# KiCad board launch.kicad_pcb
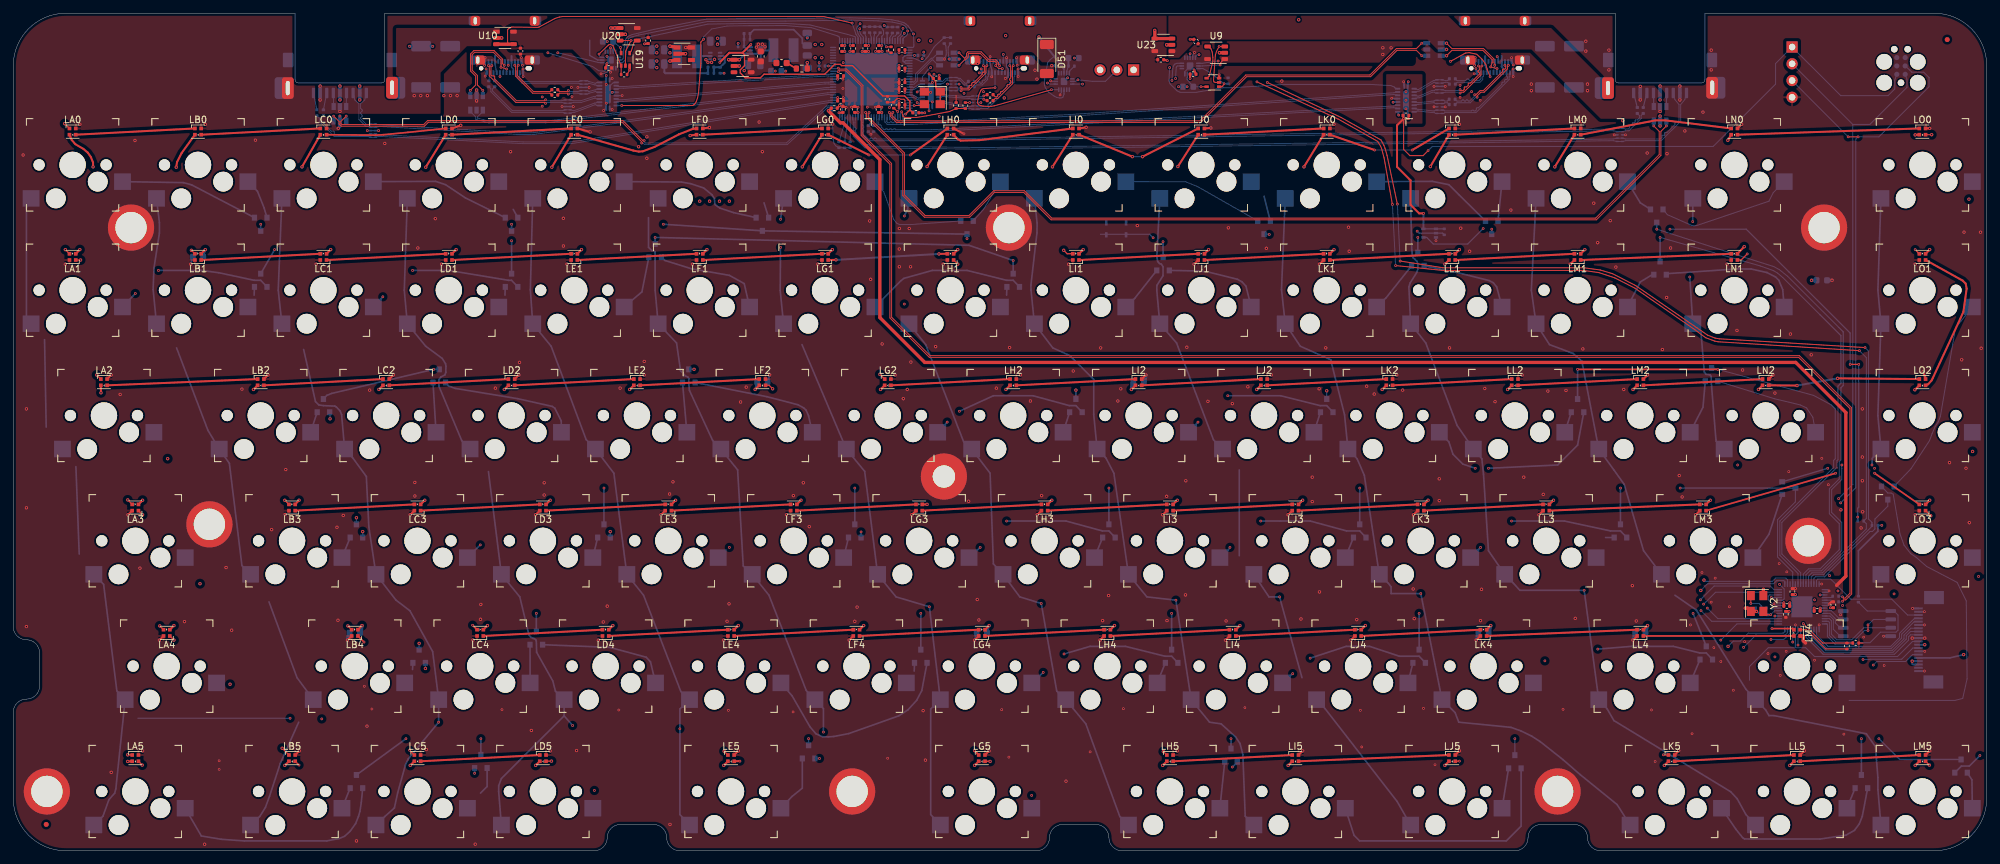
[diagram p0: board, top side]
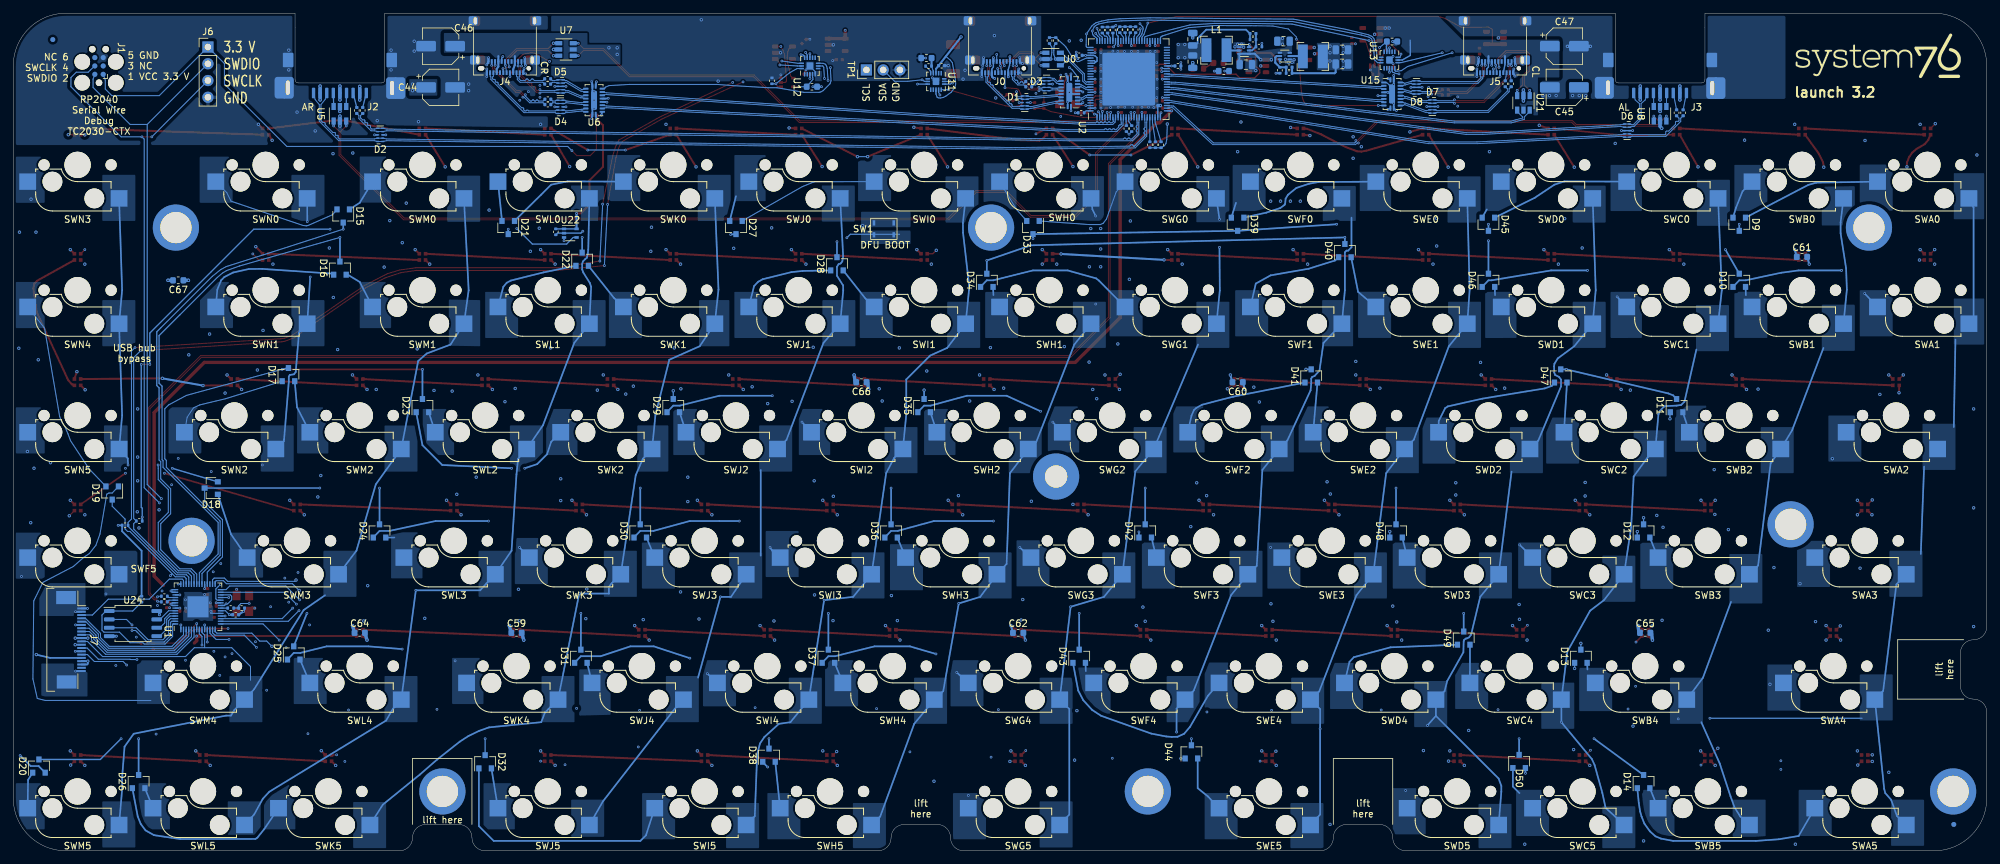
[diagram p1: board, bottom side, seen from below]

Outline 299 x 127 mm; copper layers: Top, In1.Cu (plane), In2.Cu (plane), Bottom. Coordinates in mm from the lower left corner of the outline.
Outline path: 42.7,124.9 42.7,127 8,127 arc(2.34,124.66) 0,119 0,34 arc(0.59,32.59) 2,32 arc(3.41,31.41) 4,30 4,25 arc(3.41,23.59) 2,23 arc(0.59,22.41) 0,21 0,8 arc(2.34,2.34) 8,0 88,0 arc(89.41,0.59) 90,2 arc(90.59,3.41) 92,4 97,4 arc(98.41,3.41) 99,2 arc(99.59,0.59) 101,0 155,0 arc(156.41,0.59) 157,2 arc(157.59,3.41) 159,4 164,4 arc(165.41,3.41) 166,2 arc(166.59,0.59) 168,0 227.5,0 arc(228.91,0.59) 229.5,2 arc(230.09,3.41) 231.5,4 236.5,4 arc(237.91,3.41) 238.5,2 arc(239.09,0.59) 240.5,0 291,0 arc(296.66,2.34) 299,8 299,119 arc(296.66,124.66) 291,127 256.3,127 256.3,124.9 ; 56.3,124.9 56.3,127 242.7,127 242.7,124.9
Stack: Top 0.035mm / dielectric 0.48mm FR4 er 4.5 / In1.Cu 0.035mm / dielectric 0.48mm FR4 er 4.5 / In2.Cu 0.035mm / dielectric 0.48mm FR4 er 4.5 / Bottom 0.035mm

## Placement (name value [footprint] x y rotation side)
C1  1 uF  [C_0402_1005Metric]  268.55 35.85 90 top
C2  1 uF  [C_0402_1005Metric]  275.75 37.3 270 top
C3  1 uF  [C_0402_1005Metric]  269.55 39.3 270 top
C4  2.2 uF  [C_0603_1608Metric]  113.25 120.45 90 top
C5  1 uF  [C_0402_1005Metric]  76.85 121.25 270 top
C6  1 uF  [C_0402_1005Metric]  173.85 119.95 0 top
C7  1 nF  [C_0402_1005Metric]  136.75 111.9 0 top
C8  0.1uF  [C_0402_1005Metric]  131.1 112.4 90 top
C9  0.1uF  [C_0402_1005Metric]  148 113.75 0 top
C10  0.1uF  [C_0402_1005Metric]  148 114.65 0 top
C11  0.1uF  [C_0402_1005Metric]  145.15 116.65 0 bottom
C12  0.1uF  [C_0402_1005Metric]  145.15 115.85 0 bottom
C13  0.1uF  [C_0402_1005Metric]  218 113.15 0 bottom
C14  0.1uF  [C_0402_1005Metric]  218.03 116.25 0 bottom
C15  0.1uF  [C_0402_1005Metric]  218 113.95 0 bottom
C16  0.1uF  [C_0402_1005Metric]  218.03 117.05 0 bottom
C17  0.1uF  [C_0402_1005Metric]  125.7 112.4 90 top
C18  0.1uF  [C_0402_1005Metric]  134.65 121.45 180 top
C19  0.1uF  [C_0402_1005Metric]  125.35 117.5 0 top
C20  0.1uF  [C_0402_1005Metric]  125.35 113.7 0 top
C21  0.1uF  [C_0402_1005Metric]  134.65 115.5 180 top
C22  0.1uF  [C_0402_1005Metric]  127.25 121.65 270 top
C23  0.1uF  [C_0402_1005Metric]  134.65 118.65 180 top
C24  0.1uF  [C_0402_1005Metric]  127.5 112.4 90 top
C25  2.2 uF  [C_0603_1608Metric]  160.65 120.2 180 bottom
C26  2.2 uF  [C_0603_1608Metric]  178 115.85 0 bottom
C27  2.2 uF  [C_0603_1608Metric]  90.1 122.7 0 bottom
C28  0.1uF  [C_0402_1005Metric]  72.95 116.3 90 bottom
C29  0.1uF  [C_0402_1005Metric]  82.05 115.4 180 top
C30  0.1uF  [C_0402_1005Metric]  72.05 116.3 90 bottom
C31  0.1uF  [C_0402_1005Metric]  82.05 114.6 180 top
C32  10 uF  [C_0805_2012Metric]  112.25 119.2 180 bottom
C33  2.2 uF  [C_0603_1608Metric]  115.59 118.23 180 bottom
C34  10 uF  [C_0805_2012Metric]  120.3 119.65 270 bottom
C35  10 uF  [C_0805_2012Metric#2]  97.7 119.3 180 bottom
C36  0.1uF  [C_0402_1005Metric]  129.1 121.65 270 top
C37  0.1uF  [C_0402_1005Metric]  125.55 121.65 270 top
C38  0.1uF  [C_0402_1005Metric]  131.15 121.65 270 top
C39  0.1uF  [C_0402_1005Metric]  122.55 119 180 bottom
C40  0.1uF  [C_0402_1005Metric]  124.4 112.6 0 top
C41  0.1uF  [C_0402_1005Metric]  134.65 113.1 180 top
C42  0.1uF  [C_0402_1005Metric]  137.5 120.6 0 bottom
C43  0.1uF  [C_0402_1005Metric]  134.65 116.5 180 top
C44  APXF6R3ARA151ME40G  [CP_Elec_5x3.9]  234.25 115.75 180 bottom
C45  APXF6R3ARA151ME40G  [CP_Elec_5x3.9]  64 115.75 0 bottom
C46  APXF6R3ARA151ME40G  [CP_Elec_5x3.9]  234.25 122 0 bottom
C47  APXF6R3ARA151ME40G  [CP_Elec_5x3.9]  64 122 180 bottom
C48  10 uF  [C_0805_2012Metric]  106.55 122.75 0 bottom
C49  10 uF  [C_0805_2012Metric]  97.7 121.45 180 bottom
C50  10 uF  [C_0805_2012Metric#2]  120.3 123.05 90 bottom
C51  0.1uF  [C_0402_1005Metric]  246.95 112.25 90 bottom
C52  0.1uF  [C_0402_1005Metric]  246.05 112.25 90 bottom
C53  0.1uF  [C_0402_1005Metric]  47 111.9 90 bottom
C54  0.1uF  [C_0402_1005Metric]  46 111.9 90 bottom
C55  0.1uF  [C_0402_1005Metric]  139.85 117.1 0 top
C56  0.1uF  [C_0402_1005Metric]  158.35 119.05 180 bottom
C57  0.1uF  [C_0402_1005Metric]  90.2 118.7 180 top
C58  0.1uF  [C_0402_1005Metric]  211 111.5 0 top
C59  2.2 uF  [C_0603_1608Metric]  222.75 33.05 180 bottom
C60  2.2 uF  [C_0603_1608Metric]  113.5 71.05 0 bottom
C61  2.2 uF  [C_0603_1608Metric]  28 90.05 180 bottom
C62  2.2 uF  [C_0603_1608Metric]  146.75 33.05 180 bottom
C63  0.1uF  [C_0402_1005Metric]  178.75 117.75 0 top
C64  2.2 uF  [C_0603_1608Metric]  246.5 33.05 180 bottom
C65  2.2 uF  [C_0603_1608Metric]  51.75 33.05 180 bottom
C66  2.2 uF  [C_0603_1608Metric]  170.5 71.05 0 bottom
C67  2.2 uF  [C_0603_1608Metric]  274 86.5 0 bottom
C68  330 pF  [C_0402_1005Metric]  111.18 123.9 180 bottom
C69  330 pF  [C_0402_1005Metric]  105.7 118.8 0 bottom
C70  27 pF  [C_0402_1005Metric]  265.3 35.8 180 bottom
C71  27 pF  [C_0402_1005Metric]  264.4 36.8 180 bottom
C72  1 uF  [C_0402_1005Metric]  268.7 37.1 180 top
C73  1 uF  [C_0402_1005Metric]  273.3 36.35 0 top
C74  1 uF  [C_0402_1005Metric]  96.2 122.85 270 top
C75  1 uF  [C_0402_1005Metric]  179.2 122.7 135 top
C76  2.2 uF  [C_0603_1608Metric]  116.4 119.45 0 top
D1  PUSB3FR4Z  [DFN-10_1x2.5mm_P0.5mm]  145.75 113.45 180 bottom
D2  PUSB3FR4Z  [DFN-10_1x2.5mm_P0.5mm]  243.4 108.55 0 bottom
D3  PUSB3FR4Z  [DFN-10_1x2.5mm_P0.5mm]  142.45 116.25 0 bottom
D4  PUSB3FR4Z  [DFN-10_1x2.5mm_P0.5mm]  216.1 112.8 0 bottom
D5  PUSB3FR4Z  [DFN-10_1x2.5mm_P0.5mm]  216.1 115.9 180 bottom
D6  PUSB3FR4Z  [DFN-10_1x2.5mm_P0.5mm]  54.5 109.2 180 bottom
D7  PUSB3FR4Z  [DFN-10_1x2.5mm_P0.5mm]  84 112.85 180 bottom
D8  PUSB3FR4Z  [DFN-10_1x2.5mm_P0.5mm]  86.4 115.75 0 bottom
D9  BAV70,215  [SOT-23]  37.5 95 270 bottom
D10  BAV70,215  [SOT-23]  37.5 86.5 90 bottom
D11  BAV70,215  [SOT-23]  47 67.5 90 bottom
D12  BAV70,215  [SOT-23]  52 48.5 90 bottom
D13  BAV70,215  [SOT-23]  61.5 29.5 90 bottom
D14  BAV70,215  [SOT-23]  52 10.5 90 bottom
D15  BAV70,215  [SOT-23]  249 96.25 270 bottom
D16  BAV70,215  [SOT-23]  249.5 88.35 90 bottom
D17  BAV70,215  [SOT-23]  257.3 72.2 90 bottom
D18  BAV70,215  [SOT-23]  269 55 0 bottom
D19  BAV70,215  [SOT-23]  284 54.25 270 bottom
D20  BAV70,215  [SOT-23]  295.1 12.85 90 bottom
D21  BAV70,215  [SOT-23]  224 94.5 270 bottom
D22  BAV70,215  [SOT-23]  212.8 89.7 90 bottom
D23  BAV70,215  [SOT-23]  237 67.5 90 bottom
D24  BAV70,215  [SOT-23]  243.5 48.5 90 bottom
D25  BAV70,215  [SOT-23]  256.5 30 90 bottom
D26  BAV70,215  [SOT-23]  280 10.5 90 bottom
D27  BAV70,215  [SOT-23]  189.5 94.5 270 bottom
D28  BAV70,215  [SOT-23]  174.2 89 90 bottom
D29  BAV70,215  [SOT-23]  199 67.5 90 bottom
D30  BAV70,215  [SOT-23]  204 48.5 90 bottom
D31  BAV70,215  [SOT-23]  213 29.5 90 bottom
D32  BAV70,215  [SOT-23]  227.5 13.5 90 bottom
D33  BAV70,215  [SOT-23]  144.5 94.5 270 bottom
D34  BAV70,215  [SOT-23]  151.5 86.5 90 bottom
D35  BAV70,215  [SOT-23]  161 67.5 90 bottom
D36  BAV70,215  [SOT-23]  166 48.5 90 bottom
D37  BAV70,215  [SOT-23]  175.5 29.5 90 bottom
D38  BAV70,215  [SOT-23]  184.5 14.5 90 bottom
D39  BAV70,215  [SOT-23]  113.5 95 270 bottom
D40  BAV70,215  [SOT-23]  97.25 91 90 bottom
D41  BAV70,215  [SOT-23]  102.35 72 90 bottom
D42  BAV70,215  [SOT-23]  127.5 48.5 90 bottom
D43  BAV70,215  [SOT-23]  137.5 29.5 90 bottom
D44  BAV70,215  [SOT-23]  120.5 15 90 bottom
D45  BAV70,215  [SOT-23]  75.5 95 270 bottom
D46  BAV70,215  [SOT-23]  75.5 86.5 90 bottom
D47  BAV70,215  [SOT-23]  64.55 72 90 bottom
D48  BAV70,215  [SOT-23]  89.5 48.5 90 bottom
D49  BAV70,215  [SOT-23]  79.25 32.25 90 bottom
D50  BAV70,215  [SOT-23]  70.85 13.55 90 bottom
D51  PMEG3030EP,115  [D_SOD-128]  156.6 120.05 270 top
FID1  Fiducial  [Fiducial_0.75mm_Mask1.5mm]  5 4 0 top
FID2  Fiducial  [Fiducial_0.75mm_Mask1.5mm]  5 4 0 bottom
FID3  Fiducial  [Fiducial_0.75mm_Mask1.5mm]  293 123 0 top
FID4  Fiducial  [Fiducial_0.75mm_Mask1.5mm]  293 123 0 bottom
H1  MountingHole_Pad  [MountingHole]  17.85 94.49 0 top
H2  MountingHole_Pad  [MountingHole]  5.1 9 0 top
H3  MountingHole_Pad  [MountingHole]  29.73 49.5 0 top
H4  MountingHole_Pad  [MountingHole]  127.1 9 0 top
H5  MountingHole_Pad  [MountingHole]  150.85 94.49 0 top
H6  MountingHole_Pad  [MountingHole]  233.97 9 0 top
H7  MountingHole_Pad  [MountingHole]  271.98 47 0 top
H8  MountingHole_Pad  [MountingHole]  274.35 94.49 0 top
H9  MountingHole_Pad  [MountingHole#2]  141 56.75 0 top
J0  12401598E4#2A  [USB_C_Receptacle_Amphenol_12401610E4-2A]  149.5 123 0 bottom
J1  Conn_ARM_SWD_TagConnect_TC2030  [Tag-Connect_TC2030-IDC-FP_2x03_P1.27mm_Vertical]  286 119 90 bottom
J2  1003-002-01100  [USB3_A_CnC_Tech_1003-002-01100]  249.5 119.9 0 bottom
J3  1003-002-01100  [USB3_A_CnC_Tech_1003-002-01100]  49.5 119.9 0 bottom
J4  12401598E4#2A  [USB_C_Receptacle_Amphenol_12401610E4-2A]  224.5 123 0 bottom
J5  12401598E4#2A  [USB_C_Receptacle_Amphenol_12401610E4-2A]  74.5 123 0 bottom
J6  SWD_TH  [PinHeader_1x04_P2.54mm_Vertical]  269.5 121.87 180 bottom
J7  -  [AFC07-S20FCC-00]  290.5 32 270 bottom
L1  SRN4018TA-2R2M  [L_Bourns-SRN4018]  116.7 121.4 0 bottom
L2  SRN4018TA-2R2M  [L_Bourns-SRN4018]  102.1 120.45 180 bottom
LA0  SK6805-EC15  [LED_SK6805-EC15]  9 109.05 0 top
LA1  SK6805-EC15  [LED_SK6805-EC15]  9 90.05 180 top
LA2  SK6805-EC15  [LED_SK6805-EC15]  13.75 71.05 0 top
LA3  SK6805-EC15  [LED_SK6805-EC15]  18.5 52.05 180 top
LA4  SK6805-EC15  [LED_SK6805-EC15]  23.25 33.05 180 top
LA5  SK6805-EC15  [LED_SK6805-EC15]  18.5 14.05 0 top
LB0  SK6805-EC15  [LED_SK6805-EC15]  28 109.05 0 top
LB1  SK6805-EC15  [LED_SK6805-EC15]  28 90.05 180 top
LB2  SK6805-EC15  [LED_SK6805-EC15]  37.5 71.05 0 top
LB3  SK6805-EC15  [LED_SK6805-EC15]  42.25 52.05 180 top
LB4  SK6805-EC15  [LED_SK6805-EC15]  51.75 33.05 180 top
LB5  SK6805-EC15  [LED_SK6805-EC15]  42.25 14.05 0 top
LC0  SK6805-EC15  [LED_SK6805-EC15]  47 109.05 0 top
LC1  SK6805-EC15  [LED_SK6805-EC15]  47 90.05 180 top
LC2  SK6805-EC15  [LED_SK6805-EC15]  56.5 71.05 0 top
LC3  SK6805-EC15  [LED_SK6805-EC15]  61.25 52.05 180 top
LC4  SK6805-EC15  [LED_SK6805-EC15]  70.75 33.05 180 top
LC5  SK6805-EC15  [LED_SK6805-EC15]  61.25 14.05 0 top
LD0  SK6805-EC15  [LED_SK6805-EC15]  66 109.05 0 top
LD1  SK6805-EC15  [LED_SK6805-EC15]  66 90.05 180 top
LD2  SK6805-EC15  [LED_SK6805-EC15]  75.5 71.05 0 top
LD3  SK6805-EC15  [LED_SK6805-EC15]  80.25 52.05 180 top
LD4  SK6805-EC15  [LED_SK6805-EC15]  89.75 33.05 180 top
LD5  SK6805-EC15  [LED_SK6805-EC15]  80.25 14.05 0 top
LE0  SK6805-EC15  [LED_SK6805-EC15]  85 109.05 0 top
LE1  SK6805-EC15  [LED_SK6805-EC15]  85 90.05 180 top
LE2  SK6805-EC15  [LED_SK6805-EC15]  94.5 71.05 0 top
LE3  SK6805-EC15  [LED_SK6805-EC15]  99.25 52.05 180 top
LE4  SK6805-EC15  [LED_SK6805-EC15]  108.75 33.05 180 top
LE5  SK6805-EC15  [LED_SK6805-EC15]  108.75 14.05 0 top
LF0  SK6805-EC15  [LED_SK6805-EC15]  104 109.05 0 top
LF1  SK6805-EC15  [LED_SK6805-EC15]  104 90.05 180 top
LF2  SK6805-EC15  [LED_SK6805-EC15]  113.5 71.05 0 top
LF3  SK6805-EC15  [LED_SK6805-EC15]  118.25 52.05 180 top
LF4  SK6805-EC15  [LED_SK6805-EC15]  127.75 33.05 180 top
LG0  SK6805-EC15  [LED_SK6805-EC15]  123 109.05 0 top
LG1  SK6805-EC15  [LED_SK6805-EC15]  123 90.05 180 top
LG2  SK6805-EC15  [LED_SK6805-EC15]  132.5 71.05 0 top
LG3  SK6805-EC15  [LED_SK6805-EC15]  137.25 52.05 180 top
LG4  SK6805-EC15  [LED_SK6805-EC15]  146.75 33.05 180 top
LG5  SK6805-EC15  [LED_SK6805-EC15]  146.75 14.05 0 top
LH0  SK6805-EC15  [LED_SK6805-EC15]  142 109.05 0 top
LH1  SK6805-EC15  [LED_SK6805-EC15]  142 90.05 180 top
LH2  SK6805-EC15  [LED_SK6805-EC15]  151.5 71.05 0 top
LH3  SK6805-EC15  [LED_SK6805-EC15]  156.25 52.05 180 top
LH4  SK6805-EC15  [LED_SK6805-EC15]  165.75 33.05 180 top
LH5  SK6805-EC15  [LED_SK6805-EC15]  175.25 14.05 0 top
LI0  SK6805-EC15  [LED_SK6805-EC15]  161 109.05 0 top
LI1  SK6805-EC15  [LED_SK6805-EC15]  161 90.05 180 top
LI2  SK6805-EC15  [LED_SK6805-EC15]  170.5 71.05 0 top
LI3  SK6805-EC15  [LED_SK6805-EC15]  175.25 52.05 180 top
LI4  SK6805-EC15  [LED_SK6805-EC15]  184.75 33.05 180 top
LI5  SK6805-EC15  [LED_SK6805-EC15]  194.25 14.05 0 top
LJ0  SK6805-EC15  [LED_SK6805-EC15]  180 109.05 0 top
LJ1  SK6805-EC15  [LED_SK6805-EC15]  180 90.05 180 top
LJ2  SK6805-EC15  [LED_SK6805-EC15]  189.5 71.05 0 top
LJ3  SK6805-EC15  [LED_SK6805-EC15]  194.25 52.05 180 top
LJ4  SK6805-EC15  [LED_SK6805-EC15]  203.75 33.05 180 top
LJ5  SK6805-EC15  [LED_SK6805-EC15]  218 14.05 0 top
LK0  SK6805-EC15  [LED_SK6805-EC15]  199 109.05 0 top
LK1  SK6805-EC15  [LED_SK6805-EC15]  199 90.05 180 top
LK2  SK6805-EC15  [LED_SK6805-EC15]  208.5 71.05 0 top
LK3  SK6805-EC15  [LED_SK6805-EC15]  213.25 52.05 180 top
LK4  SK6805-EC15  [LED_SK6805-EC15]  222.75 33.05 180 top
LK5  SK6805-EC15  [LED_SK6805-EC15]  251.25 14.05 0 top
LL0  SK6805-EC15  [LED_SK6805-EC15]  218 109.05 0 top
LL1  SK6805-EC15  [LED_SK6805-EC15]  218 90.05 180 top
LL2  SK6805-EC15  [LED_SK6805-EC15]  227.5 71.05 0 top
LL3  SK6805-EC15  [LED_SK6805-EC15]  232.25 52.05 180 top
LL4  SK6805-EC15  [LED_SK6805-EC15]  246.5 33.05 180 top
LL5  SK6805-EC15  [LED_SK6805-EC15]  270.25 14.05 0 top
LM0  SK6805-EC15  [LED_SK6805-EC15]  237 109.05 0 top
LM1  SK6805-EC15  [LED_SK6805-EC15]  237 90.05 180 top
LM2  SK6805-EC15  [LED_SK6805-EC15]  246.5 71.05 0 top
LM3  SK6805-EC15  [LED_SK6805-EC15]  256 52.05 180 top
LM4  SK6805-EC15  [LED_SK6805-EC15]  270.25 33.05 270 top
LM5  SK6805-EC15  [LED_SK6805-EC15]  289.25 14.05 0 top
LN0  SK6805-EC15  [LED_SK6805-EC15]  260.75 109.05 0 top
LN1  SK6805-EC15  [LED_SK6805-EC15]  260.75 90.05 180 top
LN2  SK6805-EC15  [LED_SK6805-EC15]  265.5 71.05 0 top
LO0  SK6805-EC15  [LED_SK6805-EC15]  289.25 109.05 0 top
LO1  SK6805-EC15  [LED_SK6805-EC15]  289.25 90.05 180 top
LO2  SK6805-EC15  [LED_SK6805-EC15]  289.25 71.05 0 top
LO3  SK6805-EC15  [LED_SK6805-EC15]  289.25 52.05 180 top
LOGO1  System76Logo  [System76]  16.45 120.55 180 bottom
R1  12 k  [R_0402_1005Metric]  137.2 111.9 0 bottom
R2  1 k  [R_0402_1005Metric]  216.8 93.85 270 bottom
R3  0.1  [R_0603_1608Metric]  119.47 118.6 0 top
R4  10 k  [R_0402_1005Metric]  279.15 31.5 0 top
R5  10 k  [R_0402_1005Metric]  129.75 124.5 270 bottom
R6  10 k  [R_0402_1005Metric]  130.55 124.5 270 bottom
R7  10 k  [R_0402_1005Metric]  131.35 124.5 270 bottom
R8  10 k  [R_0402_1005Metric]  160.32 118.97 180 bottom
R9  5.1 k  [R_0402_1005Metric]  282.05 49.35 180 bottom
R10  5.1 k  [R_0402_1005Metric]  279.9 50 0 bottom
R11  10 k  [R_0402_1005Metric]  126.8 107.05 270 bottom
R12  200 k  [R_0402_1005Metric]  125.95 107.05 270 bottom
R13  200 k  [R_0402_1005Metric]  125.1 107.05 270 bottom
R14  9.1 k  [R_0402_1005Metric]  111.18 123 180 bottom
R15  10 k  [R_0402_1005Metric]  110.28 121.92 180 bottom
R16  100 k  [R_0402_1005Metric]  92.55 117.7 0 top
R17  100 k  [R_0402_1005Metric]  184.05 116.75 90 bottom
R18  DNP  [R_0402_1005Metric]  141.05 122.85 90 bottom
R19  200 k  [R_0402_1005Metric]  133.2 124.45 90 bottom
R20  200 k  [R_0402_1005Metric]  132.4 124.45 90 bottom
R21  43 k  [R_0402_1005Metric]  142.85 113 270 top
R22  52.3 k  [R_0402_1005Metric]  144.25 113 90 top
R23  10 k  [R_0402_1005Metric]  132.45 113.95 270 top
R25  52.3 k  [R_0402_1005Metric]  105.7 117.9 0 bottom
R26  10 k  [R_0402_1005Metric]  107.1 118.35 270 bottom
R27  499  [R_0402_1005Metric]  277.8 31.05 90 top
R28  DNP  [R_0402_1005Metric]  142 122.85 270 bottom
R29  100 k  [R_0402_1005Metric]  133 121.45 270 top
R30  100 k  [R_0402_1005Metric]  134 124.45 90 bottom
R31  10 k  [R_0402_1005Metric]  128.95 124.5 270 bottom
R32  10 k  [R_0402_1005Metric]  133.4 113.05 270 top
R33  DNP  [R_0402_1005Metric]  130.35 109.5 270 bottom
R34  DNP  [R_0402_1005Metric]  129.55 109.5 270 bottom
R36  5.1 k  [R_0402_1005Metric]  279.55 38.15 270 bottom
R37  1 k  [R_0402_1005Metric]  266.05 36.8 180 bottom
R38  27  [R_0402_1005Metric]  276.1 37.75 180 bottom
R39  27  [R_0402_1005Metric]  276.1 38.6 180 bottom
SW1  GT-TC025D-H0065-L1  [GT-TC025D-H0065]  167.1 94.3 180 bottom
SWA0  CPG151101S11  [Kailh_socket_MX]  9 104 180 bottom
SWA1  CPG151101S11  [Kailh_socket_MX]  9 85 180 bottom
SWA2  CPG151101S11  [Kailh_socket_MX]  13.75 66 180 bottom
SWA3  CPG151101S11  [Kailh_socket_MX]  18.5 47 180 bottom
SWA4  CPG151101S11  [Kailh_socket_MX]  23.25 28 180 bottom
SWA5  CPG151101S11  [Kailh_socket_MX]  18.5 9 180 bottom
SWB0  CPG151101S11  [Kailh_socket_MX]  28 104 180 bottom
SWB1  CPG151101S11  [Kailh_socket_MX]  28 85 180 bottom
SWB2  CPG151101S11  [Kailh_socket_MX]  37.5 66 180 bottom
SWB3  CPG151101S11  [Kailh_socket_MX]  42.25 47 180 bottom
SWB4  CPG151101S11  [Kailh_socket_MX]  51.75 28 180 bottom
SWB5  CPG151101S11  [Kailh_socket_MX]  42.25 9 180 bottom
SWC0  CPG151101S11  [Kailh_socket_MX]  47 104 180 bottom
SWC1  CPG151101S11  [Kailh_socket_MX]  47 85 180 bottom
SWC2  CPG151101S11  [Kailh_socket_MX]  56.5 66 180 bottom
SWC3  CPG151101S11  [Kailh_socket_MX]  61.25 47 180 bottom
SWC4  CPG151101S11  [Kailh_socket_MX]  70.75 28 180 bottom
SWC5  CPG151101S11  [Kailh_socket_MX]  61.25 9 180 bottom
SWD0  CPG151101S11  [Kailh_socket_MX]  66 104 180 bottom
SWD1  CPG151101S11  [Kailh_socket_MX]  66 85 180 bottom
SWD2  CPG151101S11  [Kailh_socket_MX]  75.5 66 180 bottom
SWD3  CPG151101S11  [Kailh_socket_MX]  80.25 47 180 bottom
SWD4  CPG151101S11  [Kailh_socket_MX]  89.75 28 180 bottom
SWD5  CPG151101S11  [Kailh_socket_MX]  80.25 9 180 bottom
SWE0  CPG151101S11  [Kailh_socket_MX]  85 104 180 bottom
SWE1  CPG151101S11  [Kailh_socket_MX]  85 85 180 bottom
SWE2  CPG151101S11  [Kailh_socket_MX]  94.5 66 180 bottom
SWE3  CPG151101S11  [Kailh_socket_MX]  99.25 47 180 bottom
SWE4  CPG151101S11  [Kailh_socket_MX]  108.75 28 180 bottom
SWE5  CPG151101S11  [Kailh_socket_MX]  108.75 9 180 bottom
SWF0  CPG151101S11  [Kailh_socket_MX]  104 104 180 bottom
SWF1  CPG151101S11  [Kailh_socket_MX]  104 85 180 bottom
SWF2  CPG151101S11  [Kailh_socket_MX]  113.5 66 180 bottom
SWF3  CPG151101S11  [Kailh_socket_MX]  118.25 47 180 bottom
SWF4  CPG151101S11  [Kailh_socket_MX]  127.75 28 180 bottom
SWF5  CPG151101S11  [Kailh_socket_MX]  289.25 47 180 bottom
SWG0  CPG151101S11  [Kailh_socket_MX]  123 104 180 bottom
SWG1  CPG151101S11  [Kailh_socket_MX]  123 85 180 bottom
SWG2  CPG151101S11  [Kailh_socket_MX]  132.5 66 180 bottom
SWG3  CPG151101S11  [Kailh_socket_MX]  137.25 47 180 bottom
SWG4  CPG151101S11  [Kailh_socket_MX]  146.75 28 180 bottom
SWG5  CPG151101S11  [Kailh_socket_MX]  146.75 9 180 bottom
SWH0  CPG151101S11  [Kailh_socket_MX]  142 104 180 bottom
SWH1  CPG151101S11  [Kailh_socket_MX]  142 85 180 bottom
SWH2  CPG151101S11  [Kailh_socket_MX]  151.5 66 180 bottom
SWH3  CPG151101S11  [Kailh_socket_MX]  156.25 47 180 bottom
SWH4  CPG151101S11  [Kailh_socket_MX]  165.75 28 180 bottom
SWH5  CPG151101S11  [Kailh_socket_MX]  175.25 9 180 bottom
SWI0  CPG151101S11  [Kailh_socket_MX]  161 104 180 bottom
SWI1  CPG151101S11  [Kailh_socket_MX]  161 85 180 bottom
SWI2  CPG151101S11  [Kailh_socket_MX]  170.5 66 180 bottom
SWI3  CPG151101S11  [Kailh_socket_MX]  175.25 47 180 bottom
SWI4  CPG151101S11  [Kailh_socket_MX]  184.75 28 180 bottom
SWI5  CPG151101S11  [Kailh_socket_MX]  194.25 9 180 bottom
SWJ0  CPG151101S11  [Kailh_socket_MX]  180 104 180 bottom
SWJ1  CPG151101S11  [Kailh_socket_MX]  180 85 180 bottom
SWJ2  CPG151101S11  [Kailh_socket_MX]  189.5 66 180 bottom
SWJ3  CPG151101S11  [Kailh_socket_MX]  194.25 47 180 bottom
SWJ4  CPG151101S11  [Kailh_socket_MX]  203.75 28 180 bottom
SWJ5  CPG151101S11  [Kailh_socket_MX]  218 9 180 bottom
SWK0  CPG151101S11  [Kailh_socket_MX]  199 104 180 bottom
SWK1  CPG151101S11  [Kailh_socket_MX]  199 85 180 bottom
SWK2  CPG151101S11  [Kailh_socket_MX]  208.5 66 180 bottom
SWK3  CPG151101S11  [Kailh_socket_MX]  213.25 47 180 bottom
SWK4  CPG151101S11  [Kailh_socket_MX]  222.75 28 180 bottom
SWK5  CPG151101S11  [Kailh_socket_MX]  251.25 9 180 bottom
SWL0  CPG151101S11  [Kailh_socket_MX]  218 104 180 bottom
SWL1  CPG151101S11  [Kailh_socket_MX]  218 85 180 bottom
SWL2  CPG151101S11  [Kailh_socket_MX]  227.5 66 180 bottom
SWL3  CPG151101S11  [Kailh_socket_MX]  232.25 47 180 bottom
SWL4  CPG151101S11  [Kailh_socket_MX]  246.5 28 180 bottom
SWL5  CPG151101S11  [Kailh_socket_MX]  270.25 9 180 bottom
SWM0  CPG151101S11  [Kailh_socket_MX]  237 104 180 bottom
SWM1  CPG151101S11  [Kailh_socket_MX]  237 85 180 bottom
SWM2  CPG151101S11  [Kailh_socket_MX]  246.5 66 180 bottom
SWM3  CPG151101S11  [Kailh_socket_MX]  256 47 180 bottom
SWM4  CPG151101S11  [Kailh_socket_MX]  270.25 28 180 bottom
SWM5  CPG151101S11  [Kailh_socket_MX]  289.25 9 180 bottom
SWN0  CPG151101S11  [Kailh_socket_MX]  260.75 104 180 bottom
SWN1  CPG151101S11  [Kailh_socket_MX]  260.75 85 180 bottom
SWN2  CPG151101S11  [Kailh_socket_MX]  265.5 66 180 bottom
SWN3  CPG151101S11  [Kailh_socket_MX]  289.25 104 180 bottom
SWN4  CPG151101S11  [Kailh_socket_MX]  289.25 85 180 bottom
SWN5  CPG151101S11  [Kailh_socket_MX]  289.25 66 180 bottom
TP1  Conn_01x03  [PinHeader_1x03_P2.54mm_Vertical]  169.74 118.4 90 bottom
U0  USBLC6-2SC6  [SOT-23-6]  141.45 120.05 180 bottom
U1  RP2040  [QFN-56-1EP_7x7mm_P0.4mm_EP3.2x3.2mm]  271 37 90 bottom
U2  USB7206CT/KDX  [QFN-100-1EP_12x12mm_P0.4mm_EP8x8mm]  130 117 90 bottom
U3  CBTL02043ABQ,115  [QFN-20-1EP_2.5x4.5mm_P0.5mm_EP1x3mm]  139 115 0 bottom
U4  TLV62585PDRLR  [SOT-563]  112.5 121.35 180 bottom
U5  USBLC6-2SC6  [SOT-23-6#2]  249.5 111.75 90 bottom
U6  CBTL02043ABQ,115  [QFN-20-1EP_2.5x4.5mm_P0.5mm_EP1x3mm]  211 113.8 0 bottom
U7  USBLC6-2SC6  [SOT-23-6#2]  215.25 121.5 180 bottom
U8  USBLC6-2SC6  [SOT-23-6#2]  49.5 111.75 90 bottom
U9  AP22811AW5-7  [SOT-23-5]  182.25 121 180 top
U10  AP22811AW5-7  [SOT-23-5]  74.5 123.25 0 top
U11  PTN5110NHQZ  [QFN-16-1EP_2.6x2.6mm_P0.4mm_EP1.1x1mm]  159.2 116.65 270 bottom
U12  PTN5110NHQZ  [QFN-16-1EP_2.6x2.6mm_P0.4mm_EP1.1x1mm]  178.3 119 90 bottom
U13  PTN5110NHQZ  [QFN-16-1EP_2.6x2.6mm_P0.4mm_EP1.1x1mm]  90.5 119.9 270 bottom
U14  SN74LVC1G08DCKR  [SOT-353_SC-70-5]  181.75 116.5 180 top
U15  CBTL02043ABQ,115  [QFN-20-1EP_2.5x4.5mm_P0.5mm_EP1x3mm]  90.1 114.75 180 bottom
U16  AP22811AW5-7‎  [SOT-23-5]  110.5 119 0 top
U17  TLV62585PDRLR  [SOT-563]  106.35 120.5 0 bottom
U18  LP5907MFX-3.3  [SOT-23-5#2]  101.65 120.85 0 top
U19  SN74LVC1G08DCKR  [SOT-353_SC-70-5]  92.75 120 90 top
U20  AP22811AW5-7  [SOT-23-5]  93.25 123.8 0 top
U21  USBLC6-2SC6  [SOT-23-6]  70.2 113.4 270 bottom
U22  SN74LVC1G08DCKR  [SOT-353_SC-70-5]  214.6 93.65 180 bottom
U23  AP22811AW5-7  [SOT-23-5]  174.25 122.2 180 top